# EAGLE board Mk4 Final a Panel score (EAGLE 9.0.1), part 22 of 24
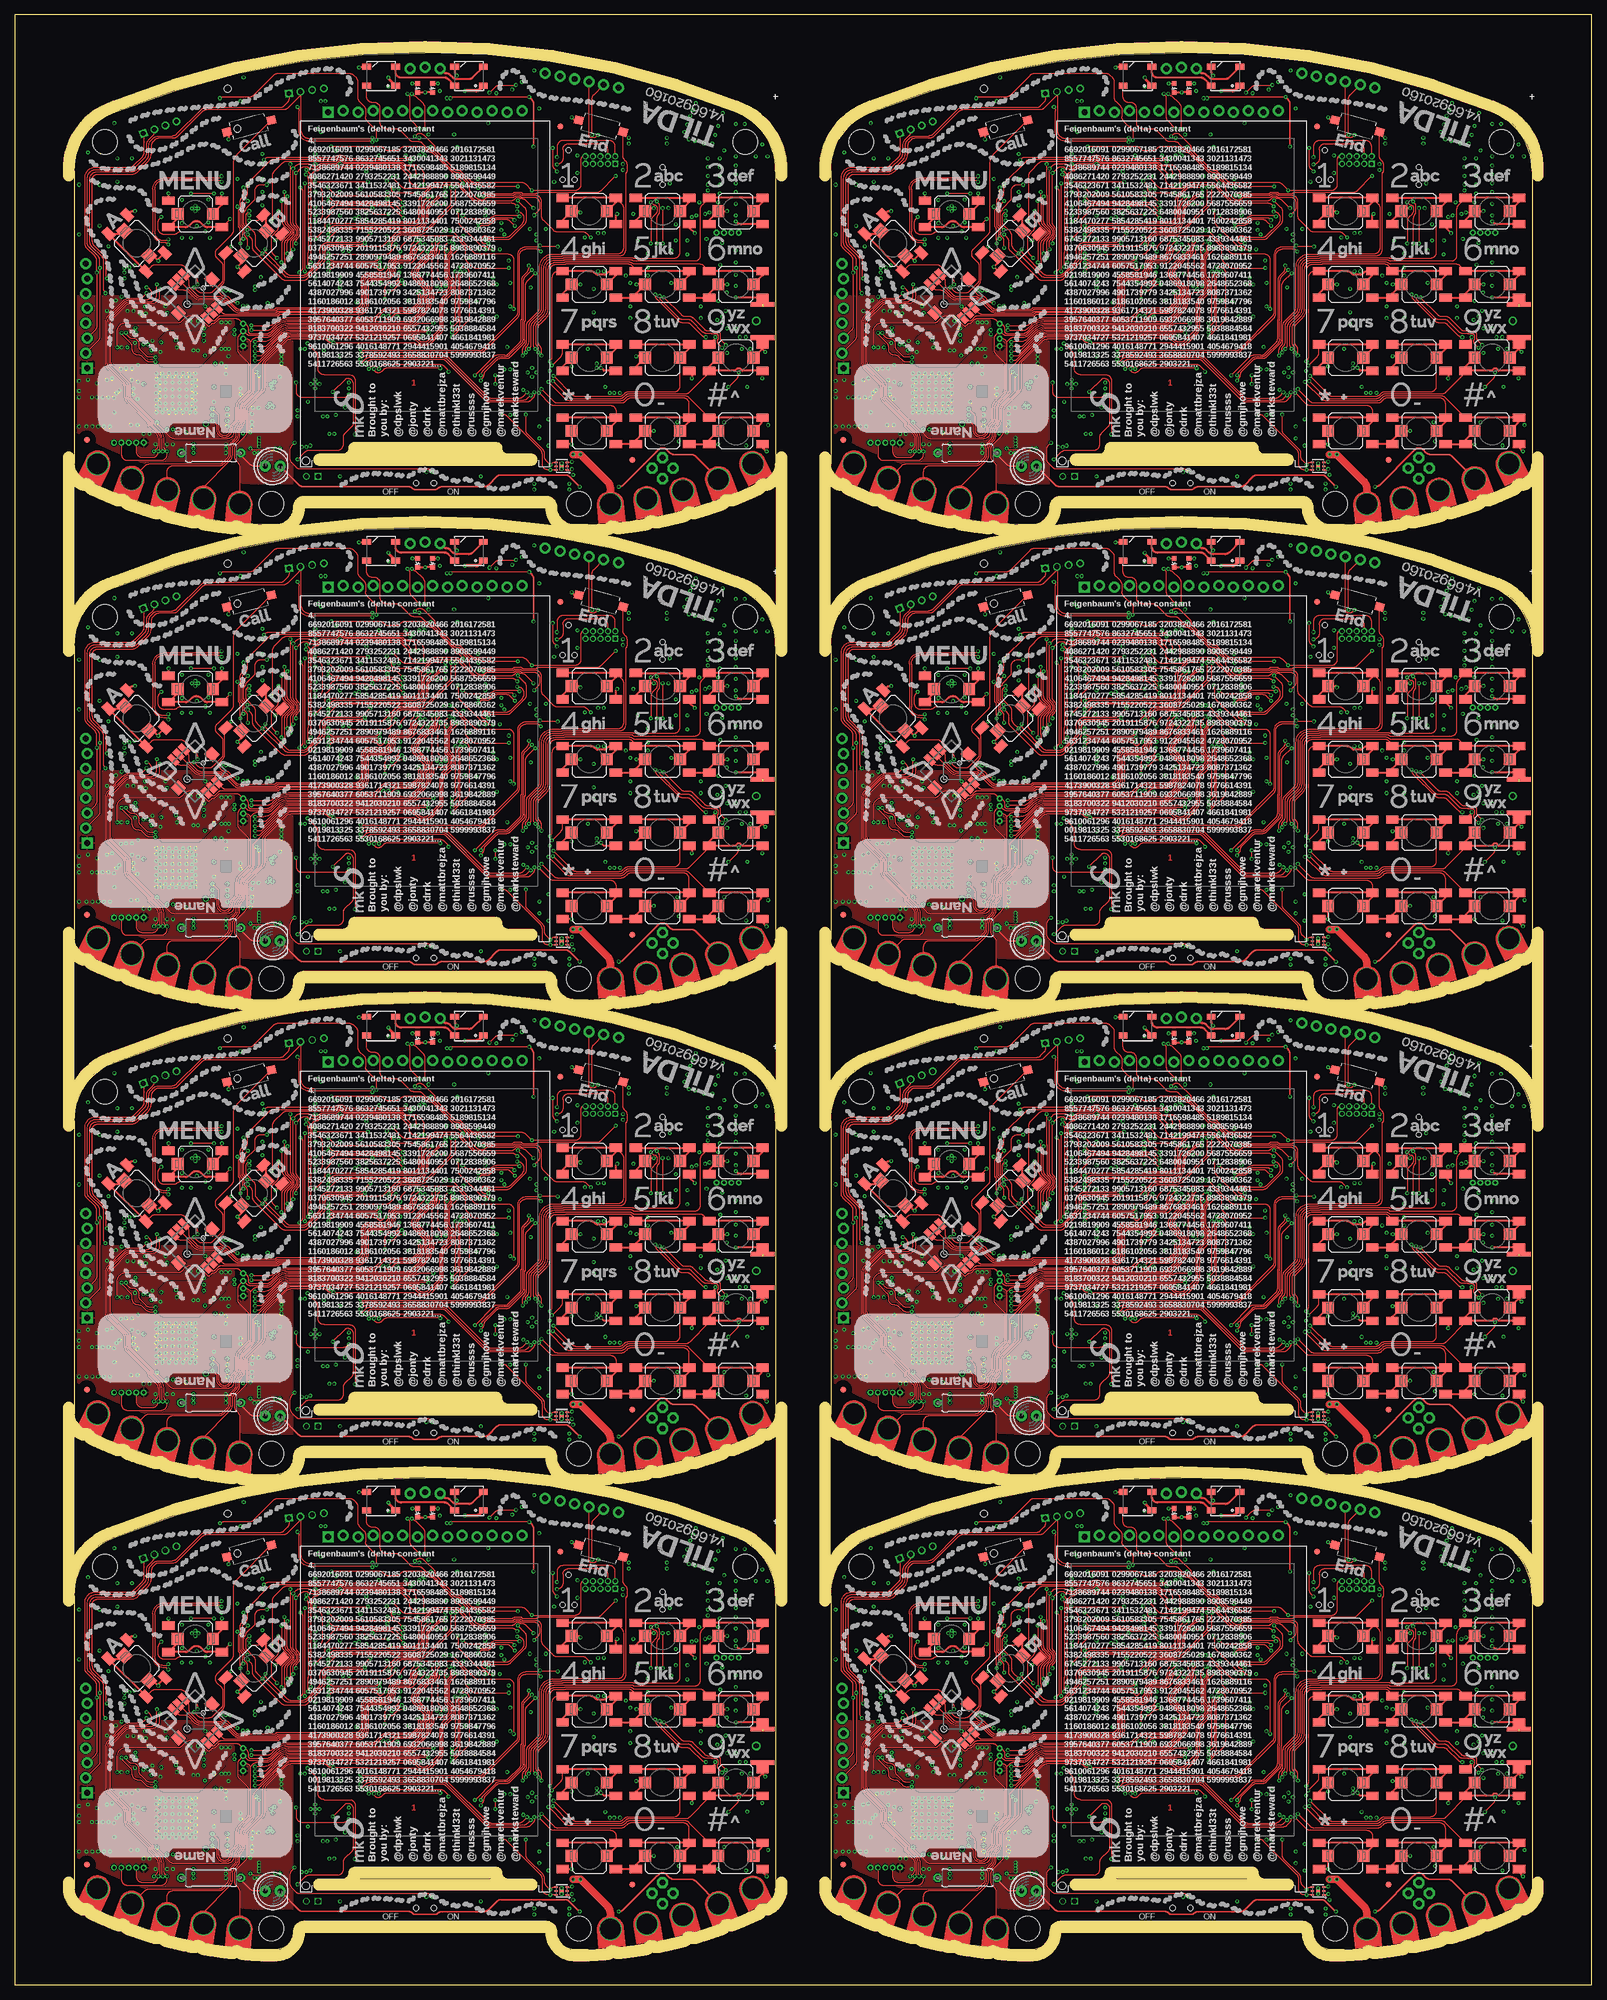
[diagram p0: board, top side]
## Tracks (layer width: path | path; a pad name or v marks a point on that pad's centre or on a via) (continued)
UART4_EXT_RX7  (via drill 0.3) (continued)
  Top 0.2: J76.1 arc-45 151.1,315.32 151.1,312.51 arc-45 150.81,311.81 149.29,310.29 arc-45 148.59,310 142.75,310 arc90 141,308.25 141,296.91 arc45 141.29,296.21 142.71,294.79 arc-45 143,294.09 v143,292 143,282.87 arc-45 142.71,282.16 JP71.3
  3V3@2 0.15: 155,254.87 PCB7.CH3 | v169.4,282.2 169.3,282.2 168.75,282.75 168.75,283.73 167.95,284.53 v167.95,286.35 | v147.7,292 v143,292
  Bottom 0.15: v198.4,288.7 198.32,288.78 arc-45 198.18,289.13 198.18,290.37 arc45 198.03,290.72 197.85,290.9 arc-45 197.7,291.26 197.7,292.26 arc-45 197.99,292.97 198.11,293.08 arc45 198.4,293.79 IC128.18 | v169.4,282.2 arc-45 169.91,281.99 170.71,281.19 arc-45 171,280.49 171,275.21 arc-45 v170.71,274.51 v170.7,274.5 | v147.7,292 159.41,292 arc-45 160.12,291.71 161.71,290.11 arc45 162.95,289.6 165.9,289.6 arc-90 166.9,288.6 166.9,288.03 arc45 167.03,287.73 167.63,287.12 arc-45 v167.95,286.35
  Bottom 0.3: J76.5 J76.1
UART4_EXT_TX  (via drill 0.3)
  Top 0.15: PCB.CH4 22.29,16.11 arc-45 23,16.4 34.86,16.4 arc45 35.57,16.69 36.26,17.38 arc45 36.55,18.09 36.55,18.95 arc-45 37.06,20.19 37.51,20.63 arc45 37.8,21.34 37.8,21.88 arc-45 38.24,22.94 arc45 38.7,24.05 38.7,25.57 arc-45 39.21,26.81 40.39,27.99 arc45 40.9,29.23 40.9,31.39 arc-45 v41.19,32.09 v41.2,32.1 | v68.65,45.7 68.75,45.6 arc-45 68.9,45.24 68.9,44.39 arc-45 68.61,43.68 68.22,43.29 arc-45 67.51,43 63.57,43 arc45 62.68,42.63 61.64,41.59 arc-45 60.94,41.3 46.74,41.3 arc45 44.19,40.3 44.18,40.29 arc-45 43.47,40 v40.4,40
  Top 0.2: J10.2 23.81,73.03 arc-45 23.52,72.32 22.94,71.74 arc45 22.5,70.68 22.5,69.42 arc-45 22.13,68.53 20.57,66.97 arc-45 19.68,66.6 13.9,66.6 arc90 12.4,65.1 12.4,54.06 arc45 12.69,53.36 14.26,51.79 arc-45 14.55,51.09 v14.55,49.8 14.55,38.13 arc-45 14.26,37.42 JP6.2
  3V3@2 0.15: v18.7,49.8 v14.55,49.8 | v39.7,43.35 39.7,41.3 40.4,40.6 v40.4,40
  Bottom 0.15: v68.65,45.7 68.73,45.78 arc45 68.88,46.13 68.88,47.22 arc45 68.73,47.57 68.5,47.8 arc-45 68.35,48.16 68.35,49.34 arc-45 68.64,50.04 68.85,50.25 arc45 69,50.61 IC1.19 | v41.2,32.1 41.41,32.31 arc45 41.7,33.01 41.7,37.29 arc45 41.41,37.99 41.09,38.31 arc45 40.39,38.6 40.3,38.6 arc-90 39.8,39.1 39.8,39.5 arc-90 40.3,40 v40.4,40 | v18.7,49.8 18.91,49.59 arc45 19.61,49.3 30.43,49.3 arc-45 31.32,48.93 32.91,47.34 arc45 33.97,46.9 36.95,46.9 arc-90 38.2,45.65 38.2,45.2 arc45 38.36,44.82 39.61,43.56 arc-45 v39.7,43.35
  Bottom 0.3: J10.6 J10.2
UART4_EXT_TX1  (via drill 0.3)
  Top 0.15: PCB1.CH4 151.29,16.11 arc-45 152,16.4 163.86,16.4 arc45 164.57,16.69 165.26,17.38 arc45 165.55,18.09 165.55,18.95 arc-45 166.06,20.19 166.51,20.63 arc45 166.8,21.34 166.8,21.88 arc-45 167.24,22.94 arc45 167.7,24.05 167.7,25.57 arc-45 168.21,26.81 169.39,27.99 arc45 169.9,29.23 169.9,31.39 arc-45 v170.19,32.09 v170.2,32.1 | v197.65,45.7 197.75,45.6 arc-45 197.9,45.24 197.9,44.39 arc-45 197.61,43.68 197.22,43.29 arc-45 196.51,43 192.57,43 arc45 191.68,42.63 190.64,41.59 arc-45 189.94,41.3 175.74,41.3 arc45 173.19,40.3 173.18,40.29 arc-45 172.47,40 v169.4,40
  Top 0.2: J16.2 152.81,73.03 arc-45 152.52,72.32 151.94,71.74 arc45 151.5,70.68 151.5,69.42 arc-45 151.13,68.53 149.57,66.97 arc-45 148.68,66.6 142.9,66.6 arc90 141.4,65.1 141.4,54.06 arc45 141.69,53.36 143.26,51.79 arc-45 143.55,51.09 v143.55,49.8 143.55,38.13 arc-45 143.26,37.42 JP17.2
  3V3@2 0.15: v147.7,49.8 v143.55,49.8 | v168.7,43.35 168.7,41.3 169.4,40.6 v169.4,40
  Bottom 0.15: v197.65,45.7 197.73,45.78 arc45 197.88,46.13 197.88,47.22 arc45 197.73,47.57 197.5,47.8 arc-45 197.35,48.16 197.35,49.34 arc-45 197.64,50.04 197.85,50.25 arc45 198,50.61 IC20.19 | v170.2,32.1 170.41,32.31 arc45 170.7,33.01 170.7,37.29 arc45 170.41,37.99 170.09,38.31 arc45 169.39,38.6 169.3,38.6 arc-90 168.8,39.1 168.8,39.5 arc-90 169.3,40 v169.4,40 | v147.7,49.8 147.91,49.59 arc45 148.61,49.3 159.43,49.3 arc-45 160.32,48.93 161.91,47.34 arc45 162.97,46.9 165.95,46.9 arc-90 167.2,45.65 167.2,45.2 arc45 167.36,44.82 168.61,43.56 arc-45 v168.7,43.35
  Bottom 0.3: J16.6 J16.2
UART4_EXT_TX2  (via drill 0.3)
  Top 0.15: PCB2.CH4 22.29,97.11 arc-45 23,97.4 34.86,97.4 arc45 35.57,97.69 36.26,98.38 arc45 36.55,99.09 36.55,99.95 arc-45 37.06,101.19 37.51,101.63 arc45 37.8,102.34 37.8,102.88 arc-45 38.24,103.94 arc45 38.7,105.05 38.7,106.58 arc-45 39.21,107.81 40.39,108.99 arc45 40.9,110.22 40.9,112.39 arc-45 v41.19,113.09 v41.2,113.1 | v68.65,126.7 68.75,126.6 arc-45 68.9,126.24 68.9,125.39 arc-45 68.61,124.68 68.22,124.29 arc-45 67.51,124 63.57,124 arc45 62.68,123.63 61.64,122.59 arc-45 60.94,122.3 46.74,122.3 arc45 44.19,121.3 44.18,121.29 arc-45 43.47,121 v40.4,121
  Top 0.2: J26.2 23.81,154.03 arc-45 23.52,153.32 22.94,152.74 arc45 22.5,151.68 22.5,150.42 arc-45 22.13,149.53 20.57,147.97 arc-45 19.68,147.6 13.9,147.6 arc90 12.4,146.1 12.4,135.06 arc45 12.69,134.36 14.26,132.79 arc-45 14.55,132.09 v14.55,130.8 14.55,119.13 arc-45 14.26,118.42 JP26.2
  3V3@2 0.15: v18.7,130.8 v14.55,130.8 | v39.7,124.35 39.7,122.3 40.4,121.6 v40.4,121
  Bottom 0.15: v68.65,126.7 68.73,126.78 arc45 68.88,127.13 68.88,128.22 arc45 68.73,128.57 68.5,128.8 arc-45 68.35,129.16 68.35,130.34 arc-45 68.64,131.04 68.85,131.25 arc45 69,131.61 IC38.19 | v41.2,113.1 41.41,113.31 arc45 41.7,114.01 41.7,118.29 arc45 41.41,118.99 41.09,119.31 arc45 40.39,119.6 40.3,119.6 arc-90 39.8,120.1 39.8,120.5 arc-90 40.3,121 v40.4,121 | v18.7,130.8 18.91,130.59 arc45 19.61,130.3 30.43,130.3 arc-45 31.32,129.93 32.91,128.34 arc45 33.97,127.9 36.95,127.9 arc-90 38.2,126.65 38.2,126.2 arc45 38.36,125.82 39.61,124.56 arc-45 v39.7,124.35
  Bottom 0.3: J26.6 J26.2
UART4_EXT_TX3  (via drill 0.3)
  Top 0.15: PCB3.CH4 151.29,97.11 arc-45 152,97.4 163.86,97.4 arc45 164.57,97.69 165.26,98.38 arc45 165.55,99.09 165.55,99.95 arc-45 166.06,101.19 166.51,101.63 arc45 166.8,102.34 166.8,102.88 arc-45 167.24,103.94 arc45 167.7,105.05 167.7,106.58 arc-45 168.21,107.81 169.39,108.99 arc45 169.9,110.22 169.9,112.39 arc-45 v170.19,113.09 v170.2,113.1 | v197.65,126.7 197.75,126.6 arc-45 197.9,126.24 197.9,125.39 arc-45 197.61,124.68 197.22,124.29 arc-45 196.51,124 192.57,124 arc45 191.68,123.63 190.64,122.59 arc-45 189.94,122.3 175.74,122.3 arc45 173.19,121.3 173.18,121.29 arc-45 172.47,121 v169.4,121
  Top 0.2: J36.2 152.81,154.03 arc-45 152.52,153.32 151.94,152.74 arc45 151.5,151.68 151.5,150.42 arc-45 151.13,149.53 149.57,147.97 arc-45 148.68,147.6 142.9,147.6 arc90 141.4,146.1 141.4,135.06 arc45 141.69,134.36 143.26,132.79 arc-45 143.55,132.09 v143.55,130.8 143.55,119.13 arc-45 143.26,118.42 JP35.2
  3V3@2 0.15: v147.7,130.8 v143.55,130.8 | v168.7,124.35 168.7,122.3 169.4,121.6 v169.4,121
  Bottom 0.15: v197.65,126.7 197.73,126.78 arc45 197.88,127.13 197.88,128.22 arc45 197.73,128.57 197.5,128.8 arc-45 197.35,129.16 197.35,130.34 arc-45 197.64,131.04 197.85,131.25 arc45 198,131.61 IC56.19 | v170.2,113.1 170.41,113.31 arc45 170.7,114.01 170.7,118.29 arc45 170.41,118.99 170.09,119.31 arc45 169.39,119.6 169.3,119.6 arc-90 168.8,120.1 168.8,120.5 arc-90 169.3,121 v169.4,121 | v147.7,130.8 147.91,130.59 arc45 148.61,130.3 159.43,130.3 arc-45 160.32,129.93 161.91,128.34 arc45 162.97,127.9 165.95,127.9 arc-90 167.2,126.65 167.2,126.2 arc45 167.36,125.82 168.61,124.56 arc-45 v168.7,124.35
  Bottom 0.3: J36.6 J36.2
UART4_EXT_TX4  (via drill 0.3)
  Top 0.15: PCB4.CH4 22.29,178.11 arc-45 23,178.4 34.86,178.4 arc45 35.57,178.69 36.26,179.38 arc45 36.55,180.09 36.55,180.95 arc-45 37.06,182.19 37.51,182.63 arc45 37.8,183.34 37.8,183.88 arc-45 38.24,184.94 arc45 38.7,186.05 38.7,187.57 arc-45 39.21,188.81 40.39,189.99 arc45 40.9,191.22 40.9,193.39 arc-45 v41.19,194.09 v41.2,194.1 | v68.65,207.7 68.75,207.6 arc-45 68.9,207.24 68.9,206.39 arc-45 68.61,205.68 68.22,205.29 arc-45 67.51,205 63.57,205 arc45 62.68,204.63 61.64,203.59 arc-45 60.94,203.3 46.74,203.3 arc45 44.19,202.3 44.18,202.29 arc-45 43.47,202 v40.4,202
  Top 0.2: J46.2 23.81,235.03 arc-45 23.52,234.32 22.94,233.74 arc45 22.5,232.68 22.5,231.42 arc-45 22.13,230.53 20.57,228.97 arc-45 19.68,228.6 13.9,228.6 arc90 12.4,227.1 12.4,216.06 arc45 12.69,215.36 14.26,213.79 arc-45 14.55,213.09 v14.55,211.8 14.55,200.13 arc-45 14.26,199.42 JP44.2
  3V3@2 0.15: v18.7,211.8 v14.55,211.8 | v39.7,205.35 39.7,203.3 40.4,202.6 v40.4,202
  Bottom 0.15: v68.65,207.7 68.73,207.78 arc45 68.88,208.13 68.88,209.22 arc45 68.73,209.57 68.5,209.8 arc-45 68.35,210.16 68.35,211.34 arc-45 68.64,212.04 68.85,212.25 arc45 69,212.61 IC74.19 | v41.2,194.1 41.41,194.31 arc45 41.7,195.01 41.7,199.29 arc45 41.41,199.99 41.09,200.31 arc45 40.39,200.6 40.3,200.6 arc-90 39.8,201.1 39.8,201.5 arc-90 40.3,202 v40.4,202 | v18.7,211.8 18.91,211.59 arc45 19.61,211.3 30.43,211.3 arc-45 31.32,210.93 32.91,209.34 arc45 33.97,208.9 36.95,208.9 arc-90 38.2,207.65 38.2,207.2 arc45 38.36,206.82 39.61,205.56 arc-45 v39.7,205.35
  Bottom 0.3: J46.6 J46.2
UART4_EXT_TX5  (via drill 0.3)
  Top 0.15: PCB5.CH4 151.29,178.11 arc-45 152,178.4 163.86,178.4 arc45 164.57,178.69 165.26,179.38 arc45 165.55,180.09 165.55,180.95 arc-45 166.06,182.19 166.51,182.63 arc45 166.8,183.34 166.8,183.88 arc-45 167.24,184.94 arc45 167.7,186.05 167.7,187.57 arc-45 168.21,188.81 169.39,189.99 arc45 169.9,191.22 169.9,193.39 arc-45 v170.19,194.09 v170.2,194.1 | v197.65,207.7 197.75,207.6 arc-45 197.9,207.24 197.9,206.39 arc-45 197.61,205.68 197.22,205.29 arc-45 196.51,205 192.57,205 arc45 191.68,204.63 190.64,203.59 arc-45 189.94,203.3 175.74,203.3 arc45 173.19,202.3 173.18,202.29 arc-45 172.47,202 v169.4,202
  Top 0.2: J56.2 152.81,235.03 arc-45 152.52,234.32 151.94,233.74 arc45 151.5,232.68 151.5,231.42 arc-45 151.13,230.53 149.57,228.97 arc-45 148.68,228.6 142.9,228.6 arc90 141.4,227.1 141.4,216.06 arc45 141.69,215.36 143.26,213.79 arc-45 143.55,213.09 v143.55,211.8 143.55,200.13 arc-45 143.26,199.42 JP53.2
  3V3@2 0.15: v147.7,211.8 v143.55,211.8 | v168.7,205.35 168.7,203.3 169.4,202.6 v169.4,202
  Bottom 0.15: v197.65,207.7 197.73,207.78 arc45 197.88,208.13 197.88,209.22 arc45 197.73,209.57 197.5,209.8 arc-45 197.35,210.16 197.35,211.34 arc-45 197.64,212.04 197.85,212.25 arc45 198,212.61 IC92.19 | v170.2,194.1 170.41,194.31 arc45 170.7,195.01 170.7,199.29 arc45 170.41,199.99 170.09,200.31 arc45 169.39,200.6 169.3,200.6 arc-90 168.8,201.1 168.8,201.5 arc-90 169.3,202 v169.4,202 | v147.7,211.8 147.91,211.59 arc45 148.61,211.3 159.43,211.3 arc-45 160.32,210.93 161.91,209.34 arc45 162.97,208.9 165.95,208.9 arc-90 167.2,207.65 167.2,207.2 arc45 167.36,206.82 168.61,205.56 arc-45 v168.7,205.35
  Bottom 0.3: J56.6 J56.2
UART4_EXT_TX6  (via drill 0.3)
  Top 0.15: PCB6.CH4 22.29,259.11 arc-45 23,259.4 34.86,259.4 arc45 35.57,259.69 36.26,260.38 arc45 36.55,261.09 36.55,261.95 arc-45 37.06,263.19 37.51,263.63 arc45 37.8,264.34 37.8,264.88 arc-45 38.24,265.94 arc45 38.7,267.05 38.7,268.57 arc-45 39.21,269.81 40.39,270.99 arc45 40.9,272.23 40.9,274.39 arc-45 v41.19,275.09 v41.2,275.1 | v68.65,288.7 68.75,288.6 arc-45 68.9,288.24 68.9,287.39 arc-45 68.61,286.68 68.22,286.29 arc-45 67.51,286 63.57,286 arc45 62.68,285.63 61.64,284.59 arc-45 60.94,284.3 46.74,284.3 arc45 44.19,283.3 44.18,283.29 arc-45 43.47,283 v40.4,283
  Top 0.2: J66.2 23.81,316.02 arc-45 23.52,315.32 22.94,314.74 arc45 22.5,313.68 22.5,312.42 arc-45 22.13,311.53 20.57,309.97 arc-45 19.68,309.6 13.9,309.6 arc90 12.4,308.1 12.4,297.06 arc45 12.69,296.36 14.26,294.79 arc-45 14.55,294.09 v14.55,292.8 14.55,281.13 arc-45 14.26,280.42 JP62.2
  3V3@2 0.15: v18.7,292.8 v14.55,292.8 | v39.7,286.35 39.7,284.3 40.4,283.6 v40.4,283
  Bottom 0.15: v68.65,288.7 68.73,288.78 arc45 68.88,289.13 68.88,290.22 arc45 68.73,290.57 68.5,290.8 arc-45 68.35,291.16 68.35,292.34 arc-45 68.64,293.04 68.85,293.25 arc45 69,293.61 IC110.19 | v41.2,275.1 41.41,275.31 arc45 41.7,276.01 41.7,280.29 arc45 41.41,280.99 41.09,281.31 arc45 40.39,281.6 40.3,281.6 arc-90 39.8,282.1 39.8,282.5 arc-90 40.3,283 v40.4,283 | v18.7,292.8 18.91,292.59 arc45 19.61,292.3 30.43,292.3 arc-45 31.32,291.93 32.91,290.34 arc45 33.97,289.9 36.95,289.9 arc-90 38.2,288.65 38.2,288.2 arc45 38.36,287.82 39.61,286.56 arc-45 v39.7,286.35
  Bottom 0.3: J66.6 J66.2
UART4_EXT_TX7  (via drill 0.3)
  Top 0.15: PCB7.CH4 151.29,259.11 arc-45 152,259.4 163.86,259.4 arc45 164.57,259.69 165.26,260.38 arc45 165.55,261.09 165.55,261.95 arc-45 166.06,263.19 166.51,263.63 arc45 166.8,264.34 166.8,264.88 arc-45 167.24,265.94 arc45 167.7,267.05 167.7,268.57 arc-45 168.21,269.81 169.39,270.99 arc45 169.9,272.23 169.9,274.39 arc-45 v170.19,275.09 v170.2,275.1 | v197.65,288.7 197.75,288.6 arc-45 197.9,288.24 197.9,287.39 arc-45 197.61,286.68 197.22,286.29 arc-45 196.51,286 192.57,286 arc45 191.68,285.63 190.64,284.59 arc-45 189.94,284.3 175.74,284.3 arc45 173.19,283.3 173.18,283.29 arc-45 172.47,283 v169.4,283
  Top 0.2: J76.2 152.81,316.02 arc-45 152.52,315.32 151.94,314.74 arc45 151.5,313.68 151.5,312.42 arc-45 151.13,311.53 149.57,309.97 arc-45 148.68,309.6 142.9,309.6 arc90 141.4,308.1 141.4,297.06 arc45 141.69,296.36 143.26,294.79 arc-45 143.55,294.09 v143.55,292.8 143.55,281.13 arc-45 143.26,280.42 JP71.2
  3V3@2 0.15: v147.7,292.8 v143.55,292.8 | v168.7,286.35 168.7,284.3 169.4,283.6 v169.4,283
  Bottom 0.15: v197.65,288.7 197.73,288.78 arc45 197.88,289.13 197.88,290.22 arc45 197.73,290.57 197.5,290.8 arc-45 197.35,291.16 197.35,292.34 arc-45 197.64,293.04 197.85,293.25 arc45 198,293.61 IC128.19 | v170.2,275.1 170.41,275.31 arc45 170.7,276.01 170.7,280.29 arc45 170.41,280.99 170.09,281.31 arc45 169.39,281.6 169.3,281.6 arc-90 168.8,282.1 168.8,282.5 arc-90 169.3,283 v169.4,283 | v147.7,292.8 147.91,292.59 arc45 148.61,292.3 159.43,292.3 arc-45 160.32,291.93 161.91,290.34 arc45 162.97,289.9 165.95,289.9 arc-90 167.2,288.65 167.2,288.2 arc45 167.36,287.82 168.61,286.56 arc-45 v168.7,286.35
  Bottom 0.3: J76.6 J76.2
USB_D_N
  Bottom 0.2: IC7.1 85.75,79
  Bottom 0.25: 85.75,79 86.26,78.49 arc45 86.96,78.2 87.64,78.2 arc45 88.34,78.49 88.95,79.1 89.15,79.1 | IC1.93 75,68.2 arc-90 76.8,70 84.65,70 arc90 85.65,71 85.65,72.85 arc-90 87.5,74.7 89.5,74.7 arc90 90.8,76 90.8,77.75 arc90 89.4,79.15 89.2,79.15 | U1.D- 79.55,80.25 79.6,80.2 79.6,79.53 arc45 79.89,78.82 80.12,78.59 arc45 80.83,78.3 83.07,78.3 arc45 83.78,78.59 83.99,78.81 arc-45 84.7,79.1 85,79.1 85.1,79 IC7.1 | 89.2,79.15 89.15,79.1 | 89.2,79.15 arc90 89.15,79.1
USB_D_N1
  Bottom 0.2: IC23.1 214.75,79
  Bottom 0.25: 214.75,79 215.26,78.49 arc45 215.96,78.2 216.64,78.2 arc45 217.34,78.49 217.95,79.1 218.15,79.1 | IC20.93 204,68.2 arc-90 205.8,70 213.65,70 arc90 214.65,71 214.65,72.85 arc-90 216.5,74.7 218.5,74.7 arc90 219.8,76 219.8,77.75 arc90 218.4,79.15 218.2,79.15 | U2.D- 208.55,80.25 208.6,80.2 208.6,79.53 arc45 208.89,78.82 209.12,78.59 arc45 209.83,78.3 212.07,78.3 arc45 212.78,78.59 212.99,78.81 arc-45 213.7,79.1 214,79.1 214.1,79 IC23.1 | 218.2,79.15 218.15,79.1 | 218.2,79.15 arc90 218.15,79.1
USB_D_N2
  Bottom 0.2: IC41.1 85.75,160
  Bottom 0.25: 85.75,160 86.26,159.49 arc45 86.96,159.2 87.64,159.2 arc45 88.34,159.49 88.95,160.1 89.15,160.1 | IC38.93 75,149.2 arc-90 76.8,151 84.65,151 arc90 85.65,152 85.65,153.85 arc-90 87.5,155.7 89.5,155.7 arc90 90.8,157 90.8,158.75 arc90 89.4,160.15 89.2,160.15 | U7.D- 79.55,161.25 79.6,161.2 79.6,160.53 arc45 79.89,159.82 80.12,159.59 arc45 80.83,159.3 83.07,159.3 arc45 83.78,159.59 83.99,159.81 arc-45 84.7,160.1 85,160.1 85.1,160 IC41.1 | 89.2,160.15 89.15,160.1 | 89.2,160.15 arc90 89.15,160.1
USB_D_N3
  Bottom 0.2: IC59.1 214.75,160
  Bottom 0.25: 214.75,160 215.26,159.49 arc45 215.96,159.2 216.64,159.2 arc45 217.34,159.49 217.95,160.1 218.15,160.1 | IC56.93 204,149.2 arc-90 205.8,151 213.65,151 arc90 214.65,152 214.65,153.85 arc-90 216.5,155.7 218.5,155.7 arc90 219.8,157 219.8,158.75 arc90 218.4,160.15 218.2,160.15 | U10.D- 208.55,161.25 208.6,161.2 208.6,160.53 arc45 208.89,159.82 209.12,159.59 arc45 209.83,159.3 212.07,159.3 arc45 212.78,159.59 212.99,159.81 arc-45 213.7,160.1 214,160.1 214.1,160 IC59.1 | 218.2,160.15 218.15,160.1 | 218.2,160.15 arc90 218.15,160.1
USB_D_N4
  Bottom 0.2: IC77.1 85.75,241
  Bottom 0.25: 85.75,241 86.26,240.49 arc45 86.96,240.2 87.64,240.2 arc45 88.34,240.49 88.95,241.1 89.15,241.1 | IC74.93 75,230.2 arc-90 76.8,232 84.65,232 arc90 85.65,233 85.65,234.85 arc-90 87.5,236.7 89.5,236.7 arc90 90.8,238 90.8,239.75 arc90 89.4,241.15 89.2,241.15 | U13.D- 79.55,242.25 79.6,242.2 79.6,241.53 arc45 79.89,240.82 80.12,240.59 arc45 80.83,240.3 83.07,240.3 arc45 83.78,240.59 83.99,240.81 arc-45 84.7,241.1 85,241.1 85.1,241 IC77.1 | 89.2,241.15 89.15,241.1 | 89.2,241.15 arc90 89.15,241.1
USB_D_N5
  Bottom 0.2: IC95.1 214.75,241
  Bottom 0.25: 214.75,241 215.26,240.49 arc45 215.96,240.2 216.64,240.2 arc45 217.34,240.49 217.95,241.1 218.15,241.1 | IC92.93 204,230.2 arc-90 205.8,232 213.65,232 arc90 214.65,233 214.65,234.85 arc-90 216.5,236.7 218.5,236.7 arc90 219.8,238 219.8,239.75 arc90 218.4,241.15 218.2,241.15 | U16.D- 208.55,242.25 208.6,242.2 208.6,241.53 arc45 208.89,240.82 209.12,240.59 arc45 209.83,240.3 212.07,240.3 arc45 212.78,240.59 212.99,240.81 arc-45 213.7,241.1 214,241.1 214.1,241 IC95.1 | 218.2,241.15 218.15,241.1 | 218.2,241.15 arc90 218.15,241.1
USB_D_N6
  Bottom 0.2: IC113.1 85.75,322
  Bottom 0.25: 85.75,322 86.26,321.49 arc45 86.96,321.2 87.64,321.2 arc45 88.34,321.49 88.95,322.1 89.15,322.1 | IC110.93 75,311.2 arc-90 76.8,313 84.65,313 arc90 85.65,314 85.65,315.85 arc-90 87.5,317.7 89.5,317.7 arc90 90.8,319 90.8,320.75 arc90 89.4,322.15 89.2,322.15 | U19.D- 79.55,323.25 79.6,323.2 79.6,322.53 arc45 79.89,321.82 80.12,321.59 arc45 80.83,321.3 83.07,321.3 arc45 83.78,321.59 83.99,321.81 arc-45 84.7,322.1 85,322.1 85.1,322 IC113.1 | 89.2,322.15 89.15,322.1 | 89.2,322.15 arc90 89.15,322.1
USB_D_N7
  Bottom 0.2: IC131.1 214.75,322
  Bottom 0.25: 214.75,322 215.26,321.49 arc45 215.96,321.2 216.64,321.2 arc45 217.34,321.49 217.95,322.1 218.15,322.1 | IC128.93 204,311.2 arc-90 205.8,313 213.65,313 arc90 214.65,314 214.65,315.85 arc-90 216.5,317.7 218.5,317.7 arc90 219.8,319 219.8,320.75 arc90 218.4,322.15 218.2,322.15 | U22.D- 208.55,323.25 208.6,323.2 208.6,322.53 arc45 208.89,321.82 209.12,321.59 arc45 209.83,321.3 212.07,321.3 arc45 212.78,321.59 212.99,321.81 arc-45 213.7,322.1 214,322.1 214.1,322 IC131.1 | 218.2,322.15 218.15,322.1 | 218.2,322.15 arc90 218.15,322.1
USB_D_P
  Bottom 0.2: IC7.2 87.35,79.5 87.5,79.65
  Bottom 0.25: 87.5,79.65 89.1,79.65 89.2,79.55 89.4,79.55 arc-90 91.2,77.75 91.2,76 arc-90 89.5,74.3 87.5,74.3 arc90 86.05,72.85 86.05,71 arc-90 84.65,69.6 76.8,69.6 arc90 75.4,68.2 IC1.94 | U1.D+ 80.2,80.4 80,80.2 80,79.69 arc45 80.29,78.99 arc45 81,78.7 82.9,78.7 arc45 83.61,78.99 83.82,79.21 arc-45 84.53,79.5 IC7.2
USB_D_P1
  Bottom 0.2: IC23.2 216.35,79.5 216.5,79.65
  Bottom 0.25: 216.5,79.65 218.1,79.65 218.2,79.55 218.4,79.55 arc-90 220.2,77.75 220.2,76 arc-90 218.5,74.3 216.5,74.3 arc90 215.05,72.85 215.05,71 arc-90 213.65,69.6 205.8,69.6 arc90 204.4,68.2 IC20.94 | U2.D+ 209.2,80.4 209,80.2 209,79.69 arc45 209.29,78.99 arc45 210,78.7 211.9,78.7 arc45 212.61,78.99 212.82,79.21 arc-45 213.53,79.5 IC23.2
USB_D_P2
  Bottom 0.2: IC41.2 87.35,160.5 87.5,160.65
  Bottom 0.25: 87.5,160.65 89.1,160.65 89.2,160.55 89.4,160.55 arc-90 91.2,158.75 91.2,157 arc-90 89.5,155.3 87.5,155.3 arc90 86.05,153.85 86.05,152 arc-90 84.65,150.6 76.8,150.6 arc90 75.4,149.2 IC38.94 | U7.D+ 80.2,161.4 80,161.2 80,160.69 arc45 80.29,159.99 arc45 81,159.7 82.9,159.7 arc45 83.61,159.99 83.82,160.21 arc-45 84.53,160.5 IC41.2
USB_D_P3
  Bottom 0.2: IC59.2 216.35,160.5 216.5,160.65
  Bottom 0.25: 216.5,160.65 218.1,160.65 218.2,160.55 218.4,160.55 arc-90 220.2,158.75 220.2,157 arc-90 218.5,155.3 216.5,155.3 arc90 215.05,153.85 215.05,152 arc-90 213.65,150.6 205.8,150.6 arc90 204.4,149.2 IC56.94 | U10.D+ 209.2,161.4 209,161.2 209,160.69 arc45 209.29,159.99 arc45 210,159.7 211.9,159.7 arc45 212.61,159.99 212.82,160.21 arc-45 213.53,160.5 IC59.2
USB_D_P4
  Bottom 0.2: IC77.2 87.35,241.5 87.5,241.65
  Bottom 0.25: 87.5,241.65 89.1,241.65 89.2,241.55 89.4,241.55 arc-90 91.2,239.75 91.2,238 arc-90 89.5,236.3 87.5,236.3 arc90 86.05,234.85 86.05,233 arc-90 84.65,231.6 76.8,231.6 arc90 75.4,230.2 IC74.94 | U13.D+ 80.2,242.4 80,242.2 80,241.69 arc45 80.29,240.99 arc45 81,240.7 82.9,240.7 arc45 83.61,240.99 83.82,241.21 arc-45 84.53,241.5 IC77.2
USB_D_P5
  Bottom 0.2: IC95.2 216.35,241.5 216.5,241.65
  Bottom 0.25: 216.5,241.65 218.1,241.65 218.2,241.55 218.4,241.55 arc-90 220.2,239.75 220.2,238 arc-90 218.5,236.3 216.5,236.3 arc90 215.05,234.85 215.05,233 arc-90 213.65,231.6 205.8,231.6 arc90 204.4,230.2 IC92.94 | U16.D+ 209.2,242.4 209,242.2 209,241.69 arc45 209.29,240.99 arc45 210,240.7 211.9,240.7 arc45 212.61,240.99 212.82,241.21 arc-45 213.53,241.5 IC95.2
USB_D_P6
  Bottom 0.2: IC113.2 87.35,322.5 87.5,322.65
  Bottom 0.25: 87.5,322.65 89.1,322.65 89.2,322.55 89.4,322.55 arc-90 91.2,320.75 91.2,319 arc-90 89.5,317.3 87.5,317.3 arc90 86.05,315.85 86.05,314 arc-90 84.65,312.6 76.8,312.6 arc90 75.4,311.2 IC110.94 | U19.D+ 80.2,323.4 80,323.2 80,322.69 arc45 80.29,321.99 arc45 81,321.7 82.9,321.7 arc45 83.61,321.99 83.82,322.21 arc-45 84.53,322.5 IC113.2
USB_D_P7
  Bottom 0.2: IC131.2 216.35,322.5 216.5,322.65
  Bottom 0.25: 216.5,322.65 218.1,322.65 218.2,322.55 218.4,322.55 arc-90 220.2,320.75 220.2,319 arc-90 218.5,317.3 216.5,317.3 arc90 215.05,315.85 215.05,314 arc-90 213.65,312.6 205.8,312.6 arc90 204.4,311.2 IC128.94 | U22.D+ 209.2,323.4 209,323.2 209,322.69 arc45 209.29,321.99 arc45 210,321.7 211.9,321.7 arc45 212.61,321.99 212.82,322.21 arc-45 213.53,322.5 IC131.2
USB_ID
  Bottom 0.15: TP6.TP 88.46,81.54 arc-45 88.75,80.84 R8.2
USB_ID1
  Bottom 0.15: TP25.TP 217.46,81.54 arc-45 217.75,80.84 R92.2
USB_ID2
  Bottom 0.15: TP44.TP 88.46,162.54 arc-45 88.75,161.84 R170.2
USB_ID3
  Bottom 0.15: TP63.TP 217.46,162.54 arc-45 217.75,161.84 R248.2
USB_ID4
  Bottom 0.15: TP82.TP 88.46,243.54 arc-45 88.75,242.84 R326.2
USB_ID5
  Bottom 0.15: TP101.TP 217.46,243.54 arc-45 217.75,242.84 R404.2
USB_ID6
  Bottom 0.15: TP120.TP 88.46,324.54 arc-45 88.75,323.84 R482.2
USB_ID7
  Bottom 0.15: TP139.TP 217.46,324.54 arc-45 217.75,323.84 R560.2
USB_ID_R  (via drill 0.3)
  Top 0.15: v81,79.7 82.01,80.71 arc-45 82.71,81 v85.5,81
  Bottom 0.15: v85.5,81 85.65,81 86.65,80 IC7.4 87.42,80.5 R8.1 | U1.ID 80.85,79.85 v81,79.7
USB_ID_R1  (via drill 0.3)
  Top 0.15: v210,79.7 211.01,80.71 arc-45 211.71,81 v214.5,81
  Bottom 0.15: v214.5,81 214.65,81 215.65,80 IC23.4 216.43,80.5 R92.1 | U2.ID 209.85,79.85 v210,79.7
USB_ID_R2  (via drill 0.3)
  Top 0.15: v81,160.7 82.01,161.71 arc-45 82.71,162 v85.5,162
  Bottom 0.15: v85.5,162 85.65,162 86.65,161 IC41.4 87.42,161.5 R170.1 | U7.ID 80.85,160.85 v81,160.7
USB_ID_R3  (via drill 0.3)
  Top 0.15: v210,160.7 211.01,161.71 arc-45 211.71,162 v214.5,162
  Bottom 0.15: v214.5,162 214.65,162 215.65,161 IC59.4 216.43,161.5 R248.1 | U10.ID 209.85,160.85 v210,160.7
USB_ID_R4  (via drill 0.3)
  Top 0.15: v81,241.7 82.01,242.71 arc-45 82.71,243 v85.5,243
  Bottom 0.15: v85.5,243 85.65,243 86.65,242 IC77.4 87.42,242.5 R326.1 | U13.ID 80.85,241.85 v81,241.7
USB_ID_R5  (via drill 0.3)
  Top 0.15: v210,241.7 211.01,242.71 arc-45 211.71,243 v214.5,243
  Bottom 0.15: v214.5,243 214.65,243 215.65,242 IC95.4 216.43,242.5 R404.1 | U16.ID 209.85,241.85 v210,241.7
USB_ID_R6  (via drill 0.3)
  Top 0.15: v81,322.7 82.01,323.71 arc-45 82.71,324 v85.5,324
  Bottom 0.15: v85.5,324 85.65,324 86.65,323 IC113.4 87.42,323.5 R482.1 | U19.ID 80.85,322.85 v81,322.7
USB_ID_R7  (via drill 0.3)
  Top 0.15: v210,322.7 211.01,323.71 arc-45 211.71,324 v214.5,324
  Bottom 0.15: v214.5,324 214.65,324 215.65,323 IC131.4 216.43,323.5 R560.1 | U22.ID 209.85,322.85 v210,322.7
USB_SHIELD
  Bottom 0.3: U1.SHIELD@5 84.1,81.91 arc45 84.39,82.61 U1.SHIELD@2 | U1.SHIELD@2 81.84,83.72 U1.SHIELD@1 79.59,83.91 79.41,84.09 U1.SHIELD@0 78.96,84.28 U1.SHIELD@3 77.12,83.57 U1.SHIELD | R7.1 86.62,84.5 C20.2 85.04,84.38 U1.SHIELD@2
USB_SHIELD1
  Bottom 0.3: U2.SHIELD@5 213.1,81.91 arc45 213.39,82.61 U2.SHIELD@2 | U2.SHIELD@2 210.84,83.72 U2.SHIELD@1 208.59,83.91 208.41,84.09 U2.SHIELD@0 207.96,84.28 U2.SHIELD@3 206.12,83.57 U2.SHIELD | R91.1 215.62,84.5 C130.2 214.04,84.38 U2.SHIELD@2
USB_SHIELD2
  Bottom 0.3: U7.SHIELD@5 84.1,162.91 arc45 84.39,163.61 U7.SHIELD@2 | U7.SHIELD@2 81.84,164.72 U7.SHIELD@1 79.59,164.91 79.41,165.09 U7.SHIELD@0 78.96,165.28 U7.SHIELD@3 77.12,164.57 U7.SHIELD | R169.1 86.62,165.5 C238.2 85.04,165.38 U7.SHIELD@2
USB_SHIELD3
  Bottom 0.3: U10.SHIELD@5 213.1,162.91 arc45 213.39,163.61 U10.SHIELD@2 | U10.SHIELD@2 210.84,164.72 U10.SHIELD@1 208.59,164.91 208.41,165.09 U10.SHIELD@0 207.96,165.28 U10.SHIELD@3 206.12,164.57 U10.SHIELD | R247.1 215.62,165.5 C346.2 214.04,165.38 U10.SHIELD@2
USB_SHIELD4
  Bottom 0.3: U13.SHIELD@5 84.1,243.91 arc45 84.39,244.61 U13.SHIELD@2 | U13.SHIELD@2 81.84,245.72 U13.SHIELD@1 79.59,245.91 79.41,246.09 U13.SHIELD@0 78.96,246.28 U13.SHIELD@3 77.12,245.57 U13.SHIELD | R325.1 86.62,246.5 C454.2 85.04,246.38 U13.SHIELD@2